# KiCad board panel_32x32_1515_r0.1.kicad_pcb (continued)
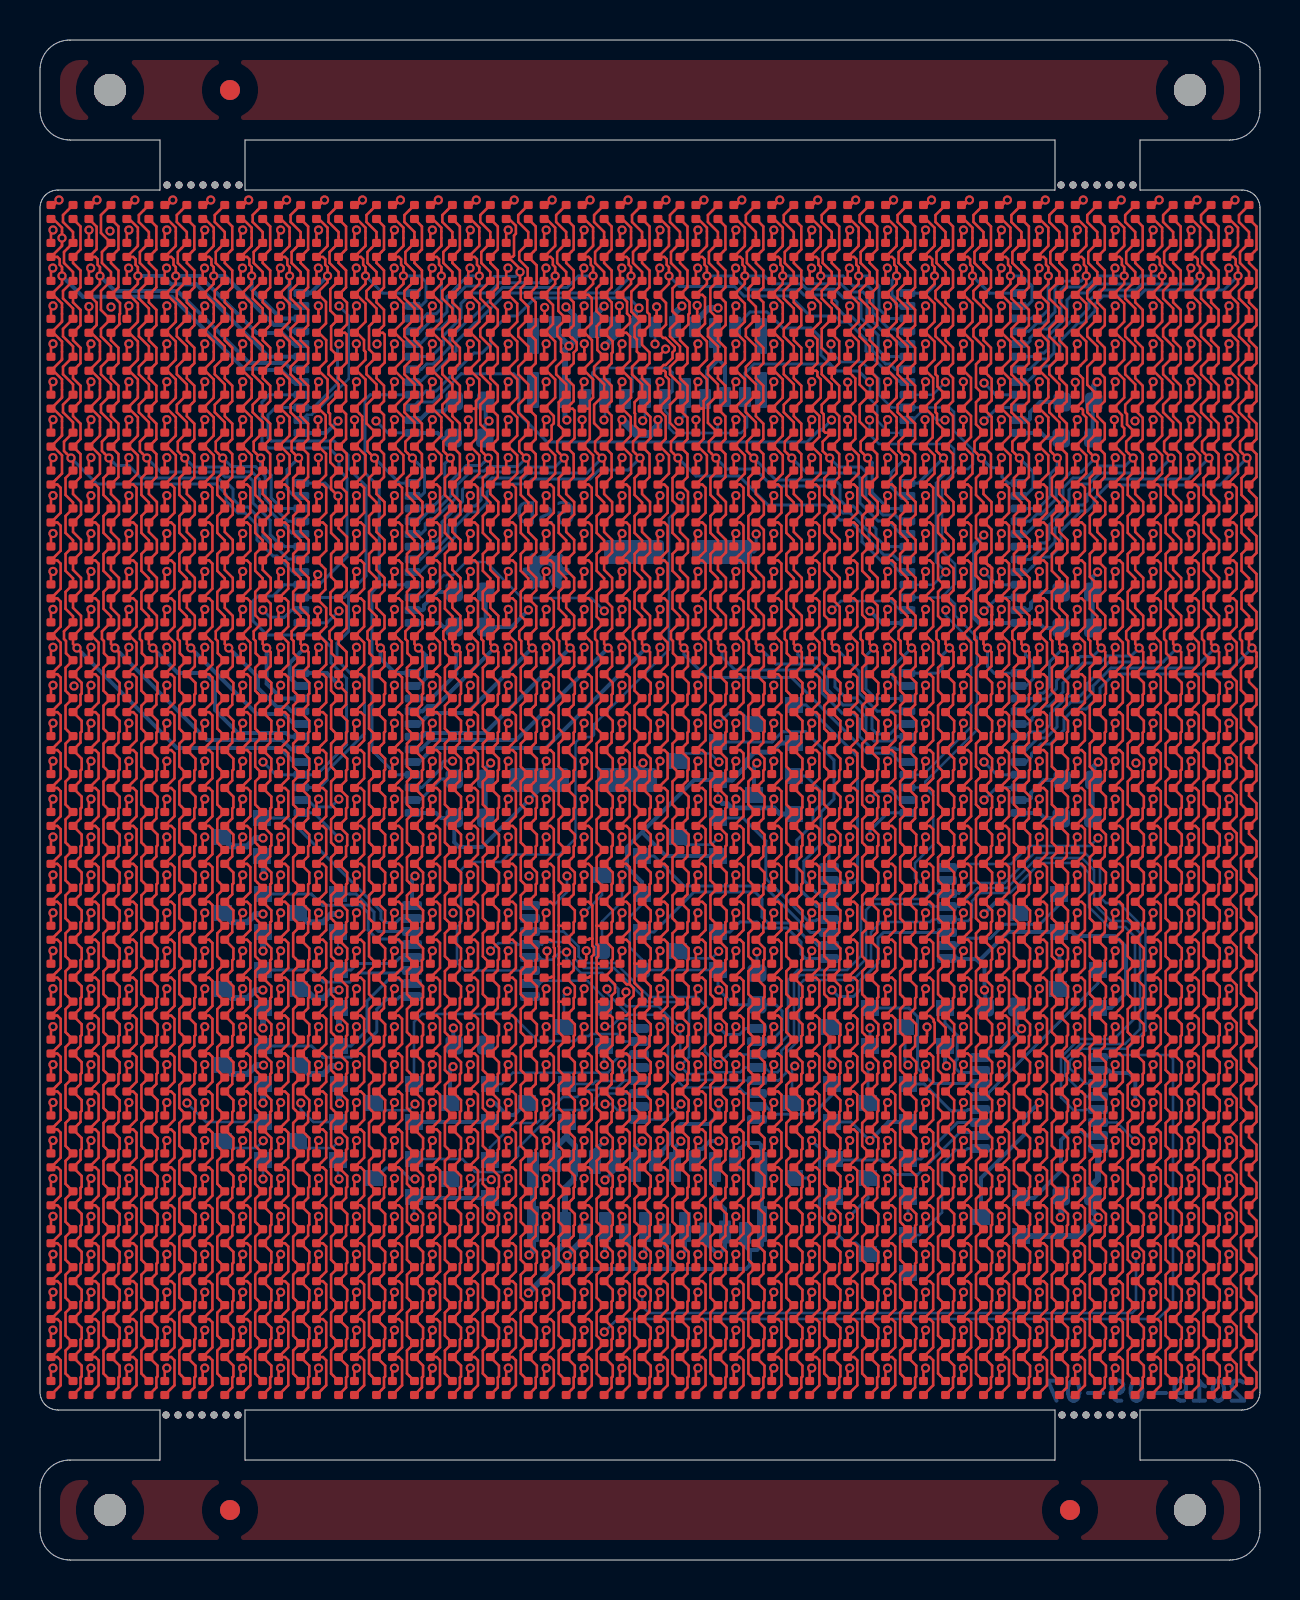
[diagram p0: board, top side]
## Placement (name value [footprint] x y rotation side) (continued)
D346  LED_ARGB  [led_rbag_1515_dense]  48.52 48.43 0 top
D347  LED_ARGB  [led_rbag_1515_dense]  50.42 48.43 0 top
D348  LED_ARGB  [led_rbag_1515_dense]  52.31 48.43 0 top
D349  LED_ARGB  [led_rbag_1515_dense]  54.21 48.43 0 top
D350  LED_ARGB  [led_rbag_1515_dense]  56.11 48.43 0 top
D351  LED_ARGB  [led_rbag_1515_dense]  58 48.43 0 top
D352  LED_ARGB  [led_rbag_1515_dense]  59.9 48.43 0 top
D353  LED_ARGB  [led_rbag_1515_dense]  1.1 46.54 0 top
D354  LED_ARGB  [led_rbag_1515_dense]  3 46.54 0 top
D355  LED_ARGB  [led_rbag_1515_dense]  4.89 46.54 0 top
D356  LED_ARGB  [led_rbag_1515_dense]  6.79 46.54 0 top
D357  LED_ARGB  [led_rbag_1515_dense]  8.69 46.54 0 top
D358  LED_ARGB  [led_rbag_1515_dense]  10.58 46.54 0 top
D359  LED_ARGB  [led_rbag_1515_dense]  12.48 46.54 0 top
D360  LED_ARGB  [led_rbag_1515_dense]  14.38 46.54 0 top
D361  LED_ARGB  [led_rbag_1515_dense]  16.27 46.54 0 top
D362  LED_ARGB  [led_rbag_1515_dense]  18.17 46.54 0 top
D363  LED_ARGB  [led_rbag_1515_dense]  20.07 46.54 0 top
D364  LED_ARGB  [led_rbag_1515_dense]  21.96 46.54 0 top
D365  LED_ARGB  [led_rbag_1515_dense]  23.86 46.54 0 top
D366  LED_ARGB  [led_rbag_1515_dense]  25.76 46.54 0 top
D367  LED_ARGB  [led_rbag_1515_dense]  27.65 46.54 0 top
D368  LED_ARGB  [led_rbag_1515_dense]  29.55 46.54 0 top
D369  LED_ARGB  [led_rbag_1515_dense]  31.45 46.54 0 top
D370  LED_ARGB  [led_rbag_1515_dense]  33.35 46.54 0 top
D371  LED_ARGB  [led_rbag_1515_dense]  35.24 46.54 0 top
D372  LED_ARGB  [led_rbag_1515_dense]  37.14 46.54 0 top
D373  LED_ARGB  [led_rbag_1515_dense]  39.04 46.54 0 top
D374  LED_ARGB  [led_rbag_1515_dense]  40.93 46.54 0 top
D375  LED_ARGB  [led_rbag_1515_dense]  42.83 46.54 0 top
D376  LED_ARGB  [led_rbag_1515_dense]  44.73 46.54 0 top
D377  LED_ARGB  [led_rbag_1515_dense]  46.62 46.54 0 top
D378  LED_ARGB  [led_rbag_1515_dense]  48.52 46.54 0 top
D379  LED_ARGB  [led_rbag_1515_dense]  50.42 46.54 0 top
D380  LED_ARGB  [led_rbag_1515_dense]  52.31 46.54 0 top
D381  LED_ARGB  [led_rbag_1515_dense]  54.21 46.54 0 top
D382  LED_ARGB  [led_rbag_1515_dense]  56.11 46.54 0 top
D383  LED_ARGB  [led_rbag_1515_dense]  58 46.54 0 top
D384  LED_ARGB  [led_rbag_1515_dense]  59.9 46.54 0 top
D385  LED_ARGB  [led_rbag_1515_dense]  1.1 44.64 0 top
D386  LED_ARGB  [led_rbag_1515_dense]  3 44.64 0 top
D387  LED_ARGB  [led_rbag_1515_dense]  4.89 44.64 0 top
D388  LED_ARGB  [led_rbag_1515_dense]  6.79 44.64 0 top
D389  LED_ARGB  [led_rbag_1515_dense]  8.69 44.64 0 top
D390  LED_ARGB  [led_rbag_1515_dense]  10.58 44.64 0 top
D391  LED_ARGB  [led_rbag_1515_dense]  12.48 44.64 0 top
D392  LED_ARGB  [led_rbag_1515_dense]  14.38 44.64 0 top
D393  LED_ARGB  [led_rbag_1515_dense]  16.27 44.64 0 top
D394  LED_ARGB  [led_rbag_1515_dense]  18.17 44.64 0 top
D395  LED_ARGB  [led_rbag_1515_dense]  20.07 44.64 0 top
D396  LED_ARGB  [led_rbag_1515_dense]  21.96 44.64 0 top
D397  LED_ARGB  [led_rbag_1515_dense]  23.86 44.64 0 top
D398  LED_ARGB  [led_rbag_1515_dense]  25.76 44.64 0 top
D399  LED_ARGB  [led_rbag_1515_dense]  27.65 44.64 0 top
D400  LED_ARGB  [led_rbag_1515_dense]  29.55 44.64 0 top
D401  LED_ARGB  [led_rbag_1515_dense]  31.45 44.64 0 top
D402  LED_ARGB  [led_rbag_1515_dense]  33.35 44.64 0 top
D403  LED_ARGB  [led_rbag_1515_dense]  35.24 44.64 0 top
D404  LED_ARGB  [led_rbag_1515_dense]  37.14 44.64 0 top
D405  LED_ARGB  [led_rbag_1515_dense]  39.04 44.64 0 top
D406  LED_ARGB  [led_rbag_1515_dense]  40.93 44.64 0 top
D407  LED_ARGB  [led_rbag_1515_dense]  42.83 44.64 0 top
D408  LED_ARGB  [led_rbag_1515_dense]  44.73 44.64 0 top
D409  LED_ARGB  [led_rbag_1515_dense]  46.62 44.64 0 top
D410  LED_ARGB  [led_rbag_1515_dense]  48.52 44.64 0 top
D411  LED_ARGB  [led_rbag_1515_dense]  50.42 44.64 0 top
D412  LED_ARGB  [led_rbag_1515_dense]  52.31 44.64 0 top
D413  LED_ARGB  [led_rbag_1515_dense]  54.21 44.64 0 top
D414  LED_ARGB  [led_rbag_1515_dense]  56.11 44.64 0 top
D415  LED_ARGB  [led_rbag_1515_dense]  58 44.64 0 top
D416  LED_ARGB  [led_rbag_1515_dense]  59.9 44.64 0 top
D417  LED_ARGB  [led_rbag_1515_dense]  1.1 42.74 0 top
D418  LED_ARGB  [led_rbag_1515_dense]  3 42.74 0 top
D419  LED_ARGB  [led_rbag_1515_dense]  4.89 42.74 0 top
D420  LED_ARGB  [led_rbag_1515_dense]  6.79 42.74 0 top
D421  LED_ARGB  [led_rbag_1515_dense]  8.69 42.74 0 top
D422  LED_ARGB  [led_rbag_1515_dense]  10.58 42.74 0 top
D423  LED_ARGB  [led_rbag_1515_dense]  12.48 42.74 0 top
D424  LED_ARGB  [led_rbag_1515_dense]  14.38 42.74 0 top
D425  LED_ARGB  [led_rbag_1515_dense]  16.27 42.74 0 top
D426  LED_ARGB  [led_rbag_1515_dense]  18.17 42.74 0 top
D427  LED_ARGB  [led_rbag_1515_dense]  20.07 42.74 0 top
D428  LED_ARGB  [led_rbag_1515_dense]  21.96 42.74 0 top
D429  LED_ARGB  [led_rbag_1515_dense]  23.86 42.74 0 top
D430  LED_ARGB  [led_rbag_1515_dense]  25.76 42.74 0 top
D431  LED_ARGB  [led_rbag_1515_dense]  27.65 42.74 0 top
D432  LED_ARGB  [led_rbag_1515_dense]  29.55 42.74 0 top
D433  LED_ARGB  [led_rbag_1515_dense]  31.45 42.74 0 top
D434  LED_ARGB  [led_rbag_1515_dense]  33.35 42.74 0 top
D435  LED_ARGB  [led_rbag_1515_dense]  35.24 42.74 0 top
D436  LED_ARGB  [led_rbag_1515_dense]  37.14 42.74 0 top
D437  LED_ARGB  [led_rbag_1515_dense]  39.04 42.74 0 top
D438  LED_ARGB  [led_rbag_1515_dense]  40.93 42.74 0 top
D439  LED_ARGB  [led_rbag_1515_dense]  42.83 42.74 0 top
D440  LED_ARGB  [led_rbag_1515_dense]  44.73 42.74 0 top
D441  LED_ARGB  [led_rbag_1515_dense]  46.62 42.74 0 top
D442  LED_ARGB  [led_rbag_1515_dense]  48.52 42.74 0 top
D443  LED_ARGB  [led_rbag_1515_dense]  50.42 42.74 0 top
D444  LED_ARGB  [led_rbag_1515_dense]  52.31 42.74 0 top
D445  LED_ARGB  [led_rbag_1515_dense]  54.21 42.74 0 top
D446  LED_ARGB  [led_rbag_1515_dense]  56.11 42.74 0 top
D447  LED_ARGB  [led_rbag_1515_dense]  58 42.74 0 top
D448  LED_ARGB  [led_rbag_1515_dense]  59.9 42.74 0 top
D449  LED_ARGB  [led_rbag_1515_dense]  1.1 40.85 0 top
D450  LED_ARGB  [led_rbag_1515_dense]  3 40.85 0 top
D451  LED_ARGB  [led_rbag_1515_dense]  4.89 40.85 0 top
D452  LED_ARGB  [led_rbag_1515_dense]  6.79 40.85 0 top
D453  LED_ARGB  [led_rbag_1515_dense]  8.69 40.85 0 top
D454  LED_ARGB  [led_rbag_1515_dense]  10.58 40.85 0 top
D455  LED_ARGB  [led_rbag_1515_dense]  12.48 40.85 0 top
D456  LED_ARGB  [led_rbag_1515_dense]  14.38 40.85 0 top
D457  LED_ARGB  [led_rbag_1515_dense]  16.27 40.85 0 top
D458  LED_ARGB  [led_rbag_1515_dense]  18.17 40.85 0 top
D459  LED_ARGB  [led_rbag_1515_dense]  20.07 40.85 0 top
D460  LED_ARGB  [led_rbag_1515_dense]  21.96 40.85 0 top
D461  LED_ARGB  [led_rbag_1515_dense]  23.86 40.85 0 top
D462  LED_ARGB  [led_rbag_1515_dense]  25.76 40.85 0 top
D463  LED_ARGB  [led_rbag_1515_dense]  27.65 40.85 0 top
D464  LED_ARGB  [led_rbag_1515_dense]  29.55 40.85 0 top
D465  LED_ARGB  [led_rbag_1515_dense]  31.45 40.85 0 top
D466  LED_ARGB  [led_rbag_1515_dense]  33.35 40.85 0 top
D467  LED_ARGB  [led_rbag_1515_dense]  35.24 40.85 0 top
D468  LED_ARGB  [led_rbag_1515_dense]  37.14 40.85 0 top
D469  LED_ARGB  [led_rbag_1515_dense]  39.04 40.85 0 top
D470  LED_ARGB  [led_rbag_1515_dense]  40.93 40.85 0 top
D471  LED_ARGB  [led_rbag_1515_dense]  42.83 40.85 0 top
D472  LED_ARGB  [led_rbag_1515_dense]  44.73 40.85 0 top
D473  LED_ARGB  [led_rbag_1515_dense]  46.62 40.85 0 top
D474  LED_ARGB  [led_rbag_1515_dense]  48.52 40.85 0 top
D475  LED_ARGB  [led_rbag_1515_dense]  50.42 40.85 0 top
D476  LED_ARGB  [led_rbag_1515_dense]  52.31 40.85 0 top
D477  LED_ARGB  [led_rbag_1515_dense]  54.21 40.85 0 top
D478  LED_ARGB  [led_rbag_1515_dense]  56.11 40.85 0 top
D479  LED_ARGB  [led_rbag_1515_dense]  58 40.85 0 top
D480  LED_ARGB  [led_rbag_1515_dense]  59.9 40.85 0 top
D481  LED_ARGB  [led_rbag_1515_dense]  1.1 38.95 0 top
D482  LED_ARGB  [led_rbag_1515_dense]  3 38.95 0 top
D483  LED_ARGB  [led_rbag_1515_dense]  4.89 38.95 0 top
D484  LED_ARGB  [led_rbag_1515_dense]  6.79 38.95 0 top
D485  LED_ARGB  [led_rbag_1515_dense]  8.69 38.95 0 top
D486  LED_ARGB  [led_rbag_1515_dense]  10.58 38.95 0 top
D487  LED_ARGB  [led_rbag_1515_dense]  12.48 38.95 0 top
D488  LED_ARGB  [led_rbag_1515_dense]  14.38 38.95 0 top
D489  LED_ARGB  [led_rbag_1515_dense]  16.27 38.95 0 top
D490  LED_ARGB  [led_rbag_1515_dense]  18.17 38.95 0 top
D491  LED_ARGB  [led_rbag_1515_dense]  20.07 38.95 0 top
D492  LED_ARGB  [led_rbag_1515_dense]  21.96 38.95 0 top
D493  LED_ARGB  [led_rbag_1515_dense]  23.86 38.95 0 top
D494  LED_ARGB  [led_rbag_1515_dense]  25.76 38.95 0 top
D495  LED_ARGB  [led_rbag_1515_dense]  27.65 38.95 0 top
D496  LED_ARGB  [led_rbag_1515_dense]  29.55 38.95 0 top
D497  LED_ARGB  [led_rbag_1515_dense]  31.45 38.95 0 top
D498  LED_ARGB  [led_rbag_1515_dense]  33.35 38.95 0 top
D499  LED_ARGB  [led_rbag_1515_dense]  35.24 38.95 0 top
D500  LED_ARGB  [led_rbag_1515_dense]  37.14 38.95 0 top
D501  LED_ARGB  [led_rbag_1515_dense]  39.04 38.95 0 top
D502  LED_ARGB  [led_rbag_1515_dense]  40.93 38.95 0 top
D503  LED_ARGB  [led_rbag_1515_dense]  42.83 38.95 0 top
D504  LED_ARGB  [led_rbag_1515_dense]  44.73 38.95 0 top
D505  LED_ARGB  [led_rbag_1515_dense]  46.62 38.95 0 top
D506  LED_ARGB  [led_rbag_1515_dense]  48.52 38.95 0 top
D507  LED_ARGB  [led_rbag_1515_dense]  50.42 38.95 0 top
D508  LED_ARGB  [led_rbag_1515_dense]  52.31 38.95 0 top
D509  LED_ARGB  [led_rbag_1515_dense]  54.21 38.95 0 top
D510  LED_ARGB  [led_rbag_1515_dense]  56.11 38.95 0 top
D511  LED_ARGB  [led_rbag_1515_dense]  58 38.95 0 top
D512  LED_ARGB  [led_rbag_1515_dense]  59.9 38.95 0 top
D513  LED_ARGB  [led_rbag_1515_dense]  1.1 37.05 0 top
D514  LED_ARGB  [led_rbag_1515_dense]  3 37.05 0 top
D515  LED_ARGB  [led_rbag_1515_dense]  4.89 37.05 0 top
D516  LED_ARGB  [led_rbag_1515_dense]  6.79 37.05 0 top
D517  LED_ARGB  [led_rbag_1515_dense]  8.69 37.05 0 top
D518  LED_ARGB  [led_rbag_1515_dense]  10.58 37.05 0 top
D519  LED_ARGB  [led_rbag_1515_dense]  12.48 37.05 0 top
D520  LED_ARGB  [led_rbag_1515_dense]  14.38 37.05 0 top
D521  LED_ARGB  [led_rbag_1515_dense]  16.27 37.05 0 top
D522  LED_ARGB  [led_rbag_1515_dense]  18.17 37.05 0 top
D523  LED_ARGB  [led_rbag_1515_dense]  20.07 37.05 0 top
D524  LED_ARGB  [led_rbag_1515_dense]  21.96 37.05 0 top
D525  LED_ARGB  [led_rbag_1515_dense]  23.86 37.05 0 top
D526  LED_ARGB  [led_rbag_1515_dense]  25.76 37.05 0 top
D527  LED_ARGB  [led_rbag_1515_dense]  27.65 37.05 0 top
D528  LED_ARGB  [led_rbag_1515_dense]  29.55 37.05 0 top
D529  LED_ARGB  [led_rbag_1515_dense]  31.45 37.05 0 top
D530  LED_ARGB  [led_rbag_1515_dense]  33.35 37.05 0 top
D531  LED_ARGB  [led_rbag_1515_dense]  35.24 37.05 0 top
D532  LED_ARGB  [led_rbag_1515_dense]  37.14 37.05 0 top
D533  LED_ARGB  [led_rbag_1515_dense]  39.04 37.05 0 top
D534  LED_ARGB  [led_rbag_1515_dense]  40.93 37.05 0 top
D535  LED_ARGB  [led_rbag_1515_dense]  42.83 37.05 0 top
D536  LED_ARGB  [led_rbag_1515_dense]  44.73 37.05 0 top
D537  LED_ARGB  [led_rbag_1515_dense]  46.62 37.05 0 top
D538  LED_ARGB  [led_rbag_1515_dense]  48.52 37.05 0 top
D539  LED_ARGB  [led_rbag_1515_dense]  50.42 37.05 0 top
D540  LED_ARGB  [led_rbag_1515_dense]  52.31 37.05 0 top
D541  LED_ARGB  [led_rbag_1515_dense]  54.21 37.05 0 top
D542  LED_ARGB  [led_rbag_1515_dense]  56.11 37.05 0 top
D543  LED_ARGB  [led_rbag_1515_dense]  58 37.05 0 top
D544  LED_ARGB  [led_rbag_1515_dense]  59.9 37.05 0 top
D545  LED_ARGB  [led_rbag_1515_dense]  1.1 35.15 0 top
D546  LED_ARGB  [led_rbag_1515_dense]  3 35.15 0 top
D547  LED_ARGB  [led_rbag_1515_dense]  4.89 35.15 0 top
D548  LED_ARGB  [led_rbag_1515_dense]  6.79 35.15 0 top
D549  LED_ARGB  [led_rbag_1515_dense]  8.69 35.15 0 top
D550  LED_ARGB  [led_rbag_1515_dense]  10.58 35.15 0 top
D551  LED_ARGB  [led_rbag_1515_dense]  12.48 35.15 0 top
D552  LED_ARGB  [led_rbag_1515_dense]  14.38 35.15 0 top
D553  LED_ARGB  [led_rbag_1515_dense]  16.27 35.15 0 top
D554  LED_ARGB  [led_rbag_1515_dense]  18.17 35.15 0 top
D555  LED_ARGB  [led_rbag_1515_dense]  20.07 35.15 0 top
D556  LED_ARGB  [led_rbag_1515_dense]  21.96 35.15 0 top
D557  LED_ARGB  [led_rbag_1515_dense]  23.86 35.15 0 top
D558  LED_ARGB  [led_rbag_1515_dense]  25.76 35.15 0 top
D559  LED_ARGB  [led_rbag_1515_dense]  27.65 35.15 0 top
D560  LED_ARGB  [led_rbag_1515_dense]  29.55 35.15 0 top
D561  LED_ARGB  [led_rbag_1515_dense]  31.45 35.15 0 top
D562  LED_ARGB  [led_rbag_1515_dense]  33.35 35.15 0 top
D563  LED_ARGB  [led_rbag_1515_dense]  35.24 35.15 0 top
D564  LED_ARGB  [led_rbag_1515_dense]  37.14 35.15 0 top
D565  LED_ARGB  [led_rbag_1515_dense]  39.04 35.15 0 top
D566  LED_ARGB  [led_rbag_1515_dense]  40.93 35.15 0 top
D567  LED_ARGB  [led_rbag_1515_dense]  42.83 35.15 0 top
D568  LED_ARGB  [led_rbag_1515_dense]  44.73 35.15 0 top
D569  LED_ARGB  [led_rbag_1515_dense]  46.62 35.15 0 top
D570  LED_ARGB  [led_rbag_1515_dense]  48.52 35.15 0 top
D571  LED_ARGB  [led_rbag_1515_dense]  50.42 35.15 0 top
D572  LED_ARGB  [led_rbag_1515_dense]  52.31 35.15 0 top
D573  LED_ARGB  [led_rbag_1515_dense]  54.21 35.15 0 top
D574  LED_ARGB  [led_rbag_1515_dense]  56.11 35.15 0 top
D575  LED_ARGB  [led_rbag_1515_dense]  58 35.15 0 top
D576  LED_ARGB  [led_rbag_1515_dense]  59.9 35.15 0 top
D577  LED_ARGB  [led_rbag_1515_dense]  1.1 33.26 0 top
D578  LED_ARGB  [led_rbag_1515_dense]  3 33.26 0 top
D579  LED_ARGB  [led_rbag_1515_dense]  4.89 33.26 0 top
D580  LED_ARGB  [led_rbag_1515_dense]  6.79 33.26 0 top
D581  LED_ARGB  [led_rbag_1515_dense]  8.69 33.26 0 top
D582  LED_ARGB  [led_rbag_1515_dense]  10.58 33.26 0 top
D583  LED_ARGB  [led_rbag_1515_dense]  12.48 33.26 0 top
D584  LED_ARGB  [led_rbag_1515_dense]  14.38 33.26 0 top
D585  LED_ARGB  [led_rbag_1515_dense]  16.27 33.26 0 top
D586  LED_ARGB  [led_rbag_1515_dense]  18.17 33.26 0 top
D587  LED_ARGB  [led_rbag_1515_dense]  20.07 33.26 0 top
D588  LED_ARGB  [led_rbag_1515_dense]  21.96 33.26 0 top
D589  LED_ARGB  [led_rbag_1515_dense]  23.86 33.26 0 top
D590  LED_ARGB  [led_rbag_1515_dense]  25.76 33.26 0 top
D591  LED_ARGB  [led_rbag_1515_dense]  27.65 33.26 0 top
D592  LED_ARGB  [led_rbag_1515_dense]  29.55 33.26 0 top
D593  LED_ARGB  [led_rbag_1515_dense]  31.45 33.26 0 top
D594  LED_ARGB  [led_rbag_1515_dense]  33.35 33.26 0 top
D595  LED_ARGB  [led_rbag_1515_dense]  35.24 33.26 0 top
D596  LED_ARGB  [led_rbag_1515_dense]  37.14 33.26 0 top
D597  LED_ARGB  [led_rbag_1515_dense]  39.04 33.26 0 top
D598  LED_ARGB  [led_rbag_1515_dense]  40.93 33.26 0 top
D599  LED_ARGB  [led_rbag_1515_dense]  42.83 33.26 0 top
D600  LED_ARGB  [led_rbag_1515_dense]  44.73 33.26 0 top
D601  LED_ARGB  [led_rbag_1515_dense]  46.62 33.26 0 top
D602  LED_ARGB  [led_rbag_1515_dense]  48.52 33.26 0 top
D603  LED_ARGB  [led_rbag_1515_dense]  50.42 33.26 0 top
D604  LED_ARGB  [led_rbag_1515_dense]  52.31 33.26 0 top
D605  LED_ARGB  [led_rbag_1515_dense]  54.21 33.26 0 top
D606  LED_ARGB  [led_rbag_1515_dense]  56.11 33.26 0 top
D607  LED_ARGB  [led_rbag_1515_dense]  58 33.26 0 top
D608  LED_ARGB  [led_rbag_1515_dense]  59.9 33.26 0 top
D609  LED_ARGB  [led_rbag_1515_dense]  1.1 31.36 0 top
D610  LED_ARGB  [led_rbag_1515_dense]  3 31.36 0 top
D611  LED_ARGB  [led_rbag_1515_dense]  4.89 31.36 0 top
D612  LED_ARGB  [led_rbag_1515_dense]  6.79 31.36 0 top
D613  LED_ARGB  [led_rbag_1515_dense]  8.69 31.36 0 top
D614  LED_ARGB  [led_rbag_1515_dense]  10.58 31.36 0 top
D615  LED_ARGB  [led_rbag_1515_dense]  12.48 31.36 0 top
D616  LED_ARGB  [led_rbag_1515_dense]  14.38 31.36 0 top
D617  LED_ARGB  [led_rbag_1515_dense]  16.27 31.36 0 top
D618  LED_ARGB  [led_rbag_1515_dense]  18.17 31.36 0 top
D619  LED_ARGB  [led_rbag_1515_dense]  20.07 31.36 0 top
D620  LED_ARGB  [led_rbag_1515_dense]  21.96 31.36 0 top
D621  LED_ARGB  [led_rbag_1515_dense]  23.86 31.36 0 top
D622  LED_ARGB  [led_rbag_1515_dense]  25.76 31.36 0 top
D623  LED_ARGB  [led_rbag_1515_dense]  27.65 31.36 0 top
D624  LED_ARGB  [led_rbag_1515_dense]  29.55 31.36 0 top
D625  LED_ARGB  [led_rbag_1515_dense]  31.45 31.36 0 top
D626  LED_ARGB  [led_rbag_1515_dense]  33.35 31.36 0 top
D627  LED_ARGB  [led_rbag_1515_dense]  35.24 31.36 0 top
D628  LED_ARGB  [led_rbag_1515_dense]  37.14 31.36 0 top
D629  LED_ARGB  [led_rbag_1515_dense]  39.04 31.36 0 top
D630  LED_ARGB  [led_rbag_1515_dense]  40.93 31.36 0 top
D631  LED_ARGB  [led_rbag_1515_dense]  42.83 31.36 0 top
D632  LED_ARGB  [led_rbag_1515_dense]  44.73 31.36 0 top
D633  LED_ARGB  [led_rbag_1515_dense]  46.62 31.36 0 top
D634  LED_ARGB  [led_rbag_1515_dense]  48.52 31.36 0 top
D635  LED_ARGB  [led_rbag_1515_dense]  50.42 31.36 0 top
D636  LED_ARGB  [led_rbag_1515_dense]  52.31 31.36 0 top
D637  LED_ARGB  [led_rbag_1515_dense]  54.21 31.36 0 top
D638  LED_ARGB  [led_rbag_1515_dense]  56.11 31.36 0 top
D639  LED_ARGB  [led_rbag_1515_dense]  58 31.36 0 top
D640  LED_ARGB  [led_rbag_1515_dense]  59.9 31.36 0 top
D641  LED_ARGB  [led_rbag_1515_dense]  1.1 29.46 0 top
D642  LED_ARGB  [led_rbag_1515_dense]  3 29.46 0 top
D643  LED_ARGB  [led_rbag_1515_dense]  4.89 29.46 0 top
D644  LED_ARGB  [led_rbag_1515_dense]  6.79 29.46 0 top
D645  LED_ARGB  [led_rbag_1515_dense]  8.69 29.46 0 top
D646  LED_ARGB  [led_rbag_1515_dense]  10.58 29.46 0 top
D647  LED_ARGB  [led_rbag_1515_dense]  12.48 29.46 0 top
D648  LED_ARGB  [led_rbag_1515_dense]  14.38 29.46 0 top
D649  LED_ARGB  [led_rbag_1515_dense]  16.27 29.46 0 top
D650  LED_ARGB  [led_rbag_1515_dense]  18.17 29.46 0 top
D651  LED_ARGB  [led_rbag_1515_dense]  20.07 29.46 0 top
D652  LED_ARGB  [led_rbag_1515_dense]  21.96 29.46 0 top
D653  LED_ARGB  [led_rbag_1515_dense]  23.86 29.46 0 top
D654  LED_ARGB  [led_rbag_1515_dense]  25.76 29.46 0 top
D655  LED_ARGB  [led_rbag_1515_dense]  27.65 29.46 0 top
D656  LED_ARGB  [led_rbag_1515_dense]  29.55 29.46 0 top
D657  LED_ARGB  [led_rbag_1515_dense]  31.45 29.46 0 top
D658  LED_ARGB  [led_rbag_1515_dense]  33.35 29.46 0 top
D659  LED_ARGB  [led_rbag_1515_dense]  35.24 29.46 0 top
D660  LED_ARGB  [led_rbag_1515_dense]  37.14 29.46 0 top
D661  LED_ARGB  [led_rbag_1515_dense]  39.04 29.46 0 top
D662  LED_ARGB  [led_rbag_1515_dense]  40.93 29.46 0 top
D663  LED_ARGB  [led_rbag_1515_dense]  42.83 29.46 0 top
D664  LED_ARGB  [led_rbag_1515_dense]  44.73 29.46 0 top
D665  LED_ARGB  [led_rbag_1515_dense]  46.62 29.46 0 top
D666  LED_ARGB  [led_rbag_1515_dense]  48.52 29.46 0 top
D667  LED_ARGB  [led_rbag_1515_dense]  50.42 29.46 0 top
D668  LED_ARGB  [led_rbag_1515_dense]  52.31 29.46 0 top
D669  LED_ARGB  [led_rbag_1515_dense]  54.21 29.46 0 top
D670  LED_ARGB  [led_rbag_1515_dense]  56.11 29.46 0 top
D671  LED_ARGB  [led_rbag_1515_dense]  58 29.46 0 top
D672  LED_ARGB  [led_rbag_1515_dense]  59.9 29.46 0 top
D673  LED_ARGB  [led_rbag_1515_dense]  1.1 27.57 0 top
D674  LED_ARGB  [led_rbag_1515_dense]  3 27.57 0 top
D675  LED_ARGB  [led_rbag_1515_dense]  4.89 27.57 0 top
D676  LED_ARGB  [led_rbag_1515_dense]  6.79 27.57 0 top
D677  LED_ARGB  [led_rbag_1515_dense]  8.69 27.57 0 top
D678  LED_ARGB  [led_rbag_1515_dense]  10.58 27.57 0 top
D679  LED_ARGB  [led_rbag_1515_dense]  12.48 27.57 0 top
D680  LED_ARGB  [led_rbag_1515_dense]  14.38 27.57 0 top
D681  LED_ARGB  [led_rbag_1515_dense]  16.27 27.57 0 top
D682  LED_ARGB  [led_rbag_1515_dense]  18.17 27.57 0 top
D683  LED_ARGB  [led_rbag_1515_dense]  20.07 27.57 0 top
D684  LED_ARGB  [led_rbag_1515_dense]  21.96 27.57 0 top
D685  LED_ARGB  [led_rbag_1515_dense]  23.86 27.57 0 top
D686  LED_ARGB  [led_rbag_1515_dense]  25.76 27.57 0 top
D687  LED_ARGB  [led_rbag_1515_dense]  27.65 27.57 0 top
D688  LED_ARGB  [led_rbag_1515_dense]  29.55 27.57 0 top
D689  LED_ARGB  [led_rbag_1515_dense]  31.45 27.57 0 top
D690  LED_ARGB  [led_rbag_1515_dense]  33.35 27.57 0 top
D691  LED_ARGB  [led_rbag_1515_dense]  35.24 27.57 0 top
D692  LED_ARGB  [led_rbag_1515_dense]  37.14 27.57 0 top
D693  LED_ARGB  [led_rbag_1515_dense]  39.04 27.57 0 top
D694  LED_ARGB  [led_rbag_1515_dense]  40.93 27.57 0 top
D695  LED_ARGB  [led_rbag_1515_dense]  42.83 27.57 0 top
D696  LED_ARGB  [led_rbag_1515_dense]  44.73 27.57 0 top
D697  LED_ARGB  [led_rbag_1515_dense]  46.62 27.57 0 top
D698  LED_ARGB  [led_rbag_1515_dense]  48.52 27.57 0 top
D699  LED_ARGB  [led_rbag_1515_dense]  50.42 27.57 0 top
D700  LED_ARGB  [led_rbag_1515_dense]  52.31 27.57 0 top
D701  LED_ARGB  [led_rbag_1515_dense]  54.21 27.57 0 top
D702  LED_ARGB  [led_rbag_1515_dense]  56.11 27.57 0 top
D703  LED_ARGB  [led_rbag_1515_dense]  58 27.57 0 top
D704  LED_ARGB  [led_rbag_1515_dense]  59.9 27.57 0 top
D705  LED_ARGB  [led_rbag_1515_dense]  1.1 25.67 0 top
D706  LED_ARGB  [led_rbag_1515_dense]  3 25.67 0 top
D707  LED_ARGB  [led_rbag_1515_dense]  4.89 25.67 0 top
D708  LED_ARGB  [led_rbag_1515_dense]  6.79 25.67 0 top
D709  LED_ARGB  [led_rbag_1515_dense]  8.69 25.67 0 top
D710  LED_ARGB  [led_rbag_1515_dense]  10.58 25.67 0 top
D711  LED_ARGB  [led_rbag_1515_dense]  12.48 25.67 0 top
D712  LED_ARGB  [led_rbag_1515_dense]  14.38 25.67 0 top
D713  LED_ARGB  [led_rbag_1515_dense]  16.27 25.67 0 top
D714  LED_ARGB  [led_rbag_1515_dense]  18.17 25.67 0 top
D715  LED_ARGB  [led_rbag_1515_dense]  20.07 25.67 0 top
D716  LED_ARGB  [led_rbag_1515_dense]  21.96 25.67 0 top
D717  LED_ARGB  [led_rbag_1515_dense]  23.86 25.67 0 top
D718  LED_ARGB  [led_rbag_1515_dense]  25.76 25.67 0 top
D719  LED_ARGB  [led_rbag_1515_dense]  27.65 25.67 0 top
D720  LED_ARGB  [led_rbag_1515_dense]  29.55 25.67 0 top
D721  LED_ARGB  [led_rbag_1515_dense]  31.45 25.67 0 top
D722  LED_ARGB  [led_rbag_1515_dense]  33.35 25.67 0 top
D723  LED_ARGB  [led_rbag_1515_dense]  35.24 25.67 0 top
D724  LED_ARGB  [led_rbag_1515_dense]  37.14 25.67 0 top
D725  LED_ARGB  [led_rbag_1515_dense]  39.04 25.67 0 top
D726  LED_ARGB  [led_rbag_1515_dense]  40.93 25.67 0 top
D727  LED_ARGB  [led_rbag_1515_dense]  42.83 25.67 0 top
D728  LED_ARGB  [led_rbag_1515_dense]  44.73 25.67 0 top
D729  LED_ARGB  [led_rbag_1515_dense]  46.62 25.67 0 top
D730  LED_ARGB  [led_rbag_1515_dense]  48.52 25.67 0 top
D731  LED_ARGB  [led_rbag_1515_dense]  50.42 25.67 0 top
D732  LED_ARGB  [led_rbag_1515_dense]  52.31 25.67 0 top
D733  LED_ARGB  [led_rbag_1515_dense]  54.21 25.67 0 top
D734  LED_ARGB  [led_rbag_1515_dense]  56.11 25.67 0 top
D735  LED_ARGB  [led_rbag_1515_dense]  58 25.67 0 top
D736  LED_ARGB  [led_rbag_1515_dense]  59.9 25.67 0 top
D737  LED_ARGB  [led_rbag_1515_dense]  1.1 23.77 0 top
D738  LED_ARGB  [led_rbag_1515_dense]  3 23.77 0 top
D739  LED_ARGB  [led_rbag_1515_dense]  4.89 23.77 0 top
D740  LED_ARGB  [led_rbag_1515_dense]  6.79 23.77 0 top
D741  LED_ARGB  [led_rbag_1515_dense]  8.69 23.77 0 top
D742  LED_ARGB  [led_rbag_1515_dense]  10.58 23.77 0 top
D743  LED_ARGB  [led_rbag_1515_dense]  12.48 23.77 0 top
D744  LED_ARGB  [led_rbag_1515_dense]  14.38 23.77 0 top
D745  LED_ARGB  [led_rbag_1515_dense]  16.27 23.77 0 top
D746  LED_ARGB  [led_rbag_1515_dense]  18.17 23.77 0 top
D747  LED_ARGB  [led_rbag_1515_dense]  20.07 23.77 0 top
D748  LED_ARGB  [led_rbag_1515_dense]  21.96 23.77 0 top
D749  LED_ARGB  [led_rbag_1515_dense]  23.86 23.77 0 top
D750  LED_ARGB  [led_rbag_1515_dense]  25.76 23.77 0 top
D751  LED_ARGB  [led_rbag_1515_dense]  27.65 23.77 0 top
D752  LED_ARGB  [led_rbag_1515_dense]  29.55 23.77 0 top
D753  LED_ARGB  [led_rbag_1515_dense]  31.45 23.77 0 top
D754  LED_ARGB  [led_rbag_1515_dense]  33.35 23.77 0 top
D755  LED_ARGB  [led_rbag_1515_dense]  35.24 23.77 0 top
D756  LED_ARGB  [led_rbag_1515_dense]  37.14 23.77 0 top
D757  LED_ARGB  [led_rbag_1515_dense]  39.04 23.77 0 top
D758  LED_ARGB  [led_rbag_1515_dense]  40.93 23.77 0 top
D759  LED_ARGB  [led_rbag_1515_dense]  42.83 23.77 0 top
D760  LED_ARGB  [led_rbag_1515_dense]  44.73 23.77 0 top
D761  LED_ARGB  [led_rbag_1515_dense]  46.62 23.77 0 top
D762  LED_ARGB  [led_rbag_1515_dense]  48.52 23.77 0 top
D763  LED_ARGB  [led_rbag_1515_dense]  50.42 23.77 0 top
D764  LED_ARGB  [led_rbag_1515_dense]  52.31 23.77 0 top
D765  LED_ARGB  [led_rbag_1515_dense]  54.21 23.77 0 top
D766  LED_ARGB  [led_rbag_1515_dense]  56.11 23.77 0 top
D767  LED_ARGB  [led_rbag_1515_dense]  58 23.77 0 top
D768  LED_ARGB  [led_rbag_1515_dense]  59.9 23.77 0 top
D769  LED_ARGB  [led_rbag_1515_dense]  1.1 21.88 0 top
D770  LED_ARGB  [led_rbag_1515_dense]  3 21.88 0 top
D771  LED_ARGB  [led_rbag_1515_dense]  4.89 21.88 0 top
D772  LED_ARGB  [led_rbag_1515_dense]  6.79 21.88 0 top
D773  LED_ARGB  [led_rbag_1515_dense]  8.69 21.88 0 top
D774  LED_ARGB  [led_rbag_1515_dense]  10.58 21.88 0 top
D775  LED_ARGB  [led_rbag_1515_dense]  12.48 21.88 0 top
D776  LED_ARGB  [led_rbag_1515_dense]  14.38 21.88 0 top
D777  LED_ARGB  [led_rbag_1515_dense]  16.27 21.88 0 top
D778  LED_ARGB  [led_rbag_1515_dense]  18.17 21.88 0 top
D779  LED_ARGB  [led_rbag_1515_dense]  20.07 21.88 0 top
D780  LED_ARGB  [led_rbag_1515_dense]  21.96 21.88 0 top
D781  LED_ARGB  [led_rbag_1515_dense]  23.86 21.88 0 top
D782  LED_ARGB  [led_rbag_1515_dense]  25.76 21.88 0 top
D783  LED_ARGB  [led_rbag_1515_dense]  27.65 21.88 0 top
D784  LED_ARGB  [led_rbag_1515_dense]  29.55 21.88 0 top
D785  LED_ARGB  [led_rbag_1515_dense]  31.45 21.88 0 top
D786  LED_ARGB  [led_rbag_1515_dense]  33.35 21.88 0 top
D787  LED_ARGB  [led_rbag_1515_dense]  35.24 21.88 0 top
D788  LED_ARGB  [led_rbag_1515_dense]  37.14 21.88 0 top
D789  LED_ARGB  [led_rbag_1515_dense]  39.04 21.88 0 top
D790  LED_ARGB  [led_rbag_1515_dense]  40.93 21.88 0 top
D791  LED_ARGB  [led_rbag_1515_dense]  42.83 21.88 0 top
D792  LED_ARGB  [led_rbag_1515_dense]  44.73 21.88 0 top
D793  LED_ARGB  [led_rbag_1515_dense]  46.62 21.88 0 top
D794  LED_ARGB  [led_rbag_1515_dense]  48.52 21.88 0 top
D795  LED_ARGB  [led_rbag_1515_dense]  50.42 21.88 0 top
D796  LED_ARGB  [led_rbag_1515_dense]  52.31 21.88 0 top
D797  LED_ARGB  [led_rbag_1515_dense]  54.21 21.88 0 top
D798  LED_ARGB  [led_rbag_1515_dense]  56.11 21.88 0 top
D799  LED_ARGB  [led_rbag_1515_dense]  58 21.88 0 top
D800  LED_ARGB  [led_rbag_1515_dense]  59.9 21.88 0 top
D801  LED_ARGB  [led_rbag_1515_dense]  1.1 19.98 0 top
D802  LED_ARGB  [led_rbag_1515_dense]  3 19.98 0 top
D803  LED_ARGB  [led_rbag_1515_dense]  4.89 19.98 0 top
D804  LED_ARGB  [led_rbag_1515_dense]  6.79 19.98 0 top
D805  LED_ARGB  [led_rbag_1515_dense]  8.69 19.98 0 top
D806  LED_ARGB  [led_rbag_1515_dense]  10.58 19.98 0 top
D807  LED_ARGB  [led_rbag_1515_dense]  12.48 19.98 0 top
D808  LED_ARGB  [led_rbag_1515_dense]  14.38 19.98 0 top
D809  LED_ARGB  [led_rbag_1515_dense]  16.27 19.98 0 top
D810  LED_ARGB  [led_rbag_1515_dense]  18.17 19.98 0 top
D811  LED_ARGB  [led_rbag_1515_dense]  20.07 19.98 0 top
D812  LED_ARGB  [led_rbag_1515_dense]  21.96 19.98 0 top
D813  LED_ARGB  [led_rbag_1515_dense]  23.86 19.98 0 top
D814  LED_ARGB  [led_rbag_1515_dense]  25.76 19.98 0 top
D815  LED_ARGB  [led_rbag_1515_dense]  27.65 19.98 0 top
D816  LED_ARGB  [led_rbag_1515_dense]  29.55 19.98 0 top
D817  LED_ARGB  [led_rbag_1515_dense]  31.45 19.98 0 top
D818  LED_ARGB  [led_rbag_1515_dense]  33.35 19.98 0 top
D819  LED_ARGB  [led_rbag_1515_dense]  35.24 19.98 0 top
D820  LED_ARGB  [led_rbag_1515_dense]  37.14 19.98 0 top
D821  LED_ARGB  [led_rbag_1515_dense]  39.04 19.98 0 top
D822  LED_ARGB  [led_rbag_1515_dense]  40.93 19.98 0 top
D823  LED_ARGB  [led_rbag_1515_dense]  42.83 19.98 0 top
D824  LED_ARGB  [led_rbag_1515_dense]  44.73 19.98 0 top
D825  LED_ARGB  [led_rbag_1515_dense]  46.62 19.98 0 top
D826  LED_ARGB  [led_rbag_1515_dense]  48.52 19.98 0 top
D827  LED_ARGB  [led_rbag_1515_dense]  50.42 19.98 0 top
D828  LED_ARGB  [led_rbag_1515_dense]  52.31 19.98 0 top
D829  LED_ARGB  [led_rbag_1515_dense]  54.21 19.98 0 top
D830  LED_ARGB  [led_rbag_1515_dense]  56.11 19.98 0 top
D831  LED_ARGB  [led_rbag_1515_dense]  58 19.98 0 top
D832  LED_ARGB  [led_rbag_1515_dense]  59.9 19.98 0 top
D833  LED_ARGB  [led_rbag_1515_dense]  1.1 18.08 0 top
D834  LED_ARGB  [led_rbag_1515_dense]  3 18.08 0 top
D835  LED_ARGB  [led_rbag_1515_dense]  4.89 18.08 0 top
D836  LED_ARGB  [led_rbag_1515_dense]  6.79 18.08 0 top
D837  LED_ARGB  [led_rbag_1515_dense]  8.69 18.08 0 top
D838  LED_ARGB  [led_rbag_1515_dense]  10.58 18.08 0 top
D839  LED_ARGB  [led_rbag_1515_dense]  12.48 18.08 0 top
D840  LED_ARGB  [led_rbag_1515_dense]  14.38 18.08 0 top
D841  LED_ARGB  [led_rbag_1515_dense]  16.27 18.08 0 top
D842  LED_ARGB  [led_rbag_1515_dense]  18.17 18.08 0 top
D843  LED_ARGB  [led_rbag_1515_dense]  20.07 18.08 0 top
D844  LED_ARGB  [led_rbag_1515_dense]  21.96 18.08 0 top
D845  LED_ARGB  [led_rbag_1515_dense]  23.86 18.08 0 top
D846  LED_ARGB  [led_rbag_1515_dense]  25.76 18.08 0 top
D847  LED_ARGB  [led_rbag_1515_dense]  27.65 18.08 0 top
D848  LED_ARGB  [led_rbag_1515_dense]  29.55 18.08 0 top
D849  LED_ARGB  [led_rbag_1515_dense]  31.45 18.08 0 top
D850  LED_ARGB  [led_rbag_1515_dense]  33.35 18.08 0 top
D851  LED_ARGB  [led_rbag_1515_dense]  35.24 18.08 0 top
D852  LED_ARGB  [led_rbag_1515_dense]  37.14 18.08 0 top
D853  LED_ARGB  [led_rbag_1515_dense]  39.04 18.08 0 top
D854  LED_ARGB  [led_rbag_1515_dense]  40.93 18.08 0 top
D855  LED_ARGB  [led_rbag_1515_dense]  42.83 18.08 0 top
D856  LED_ARGB  [led_rbag_1515_dense]  44.73 18.08 0 top
D857  LED_ARGB  [led_rbag_1515_dense]  46.62 18.08 0 top
D858  LED_ARGB  [led_rbag_1515_dense]  48.52 18.08 0 top
D859  LED_ARGB  [led_rbag_1515_dense]  50.42 18.08 0 top
D860  LED_ARGB  [led_rbag_1515_dense]  52.31 18.08 0 top
